# Altium PCB MSE-PCB-N1.PcbDoc (continued)
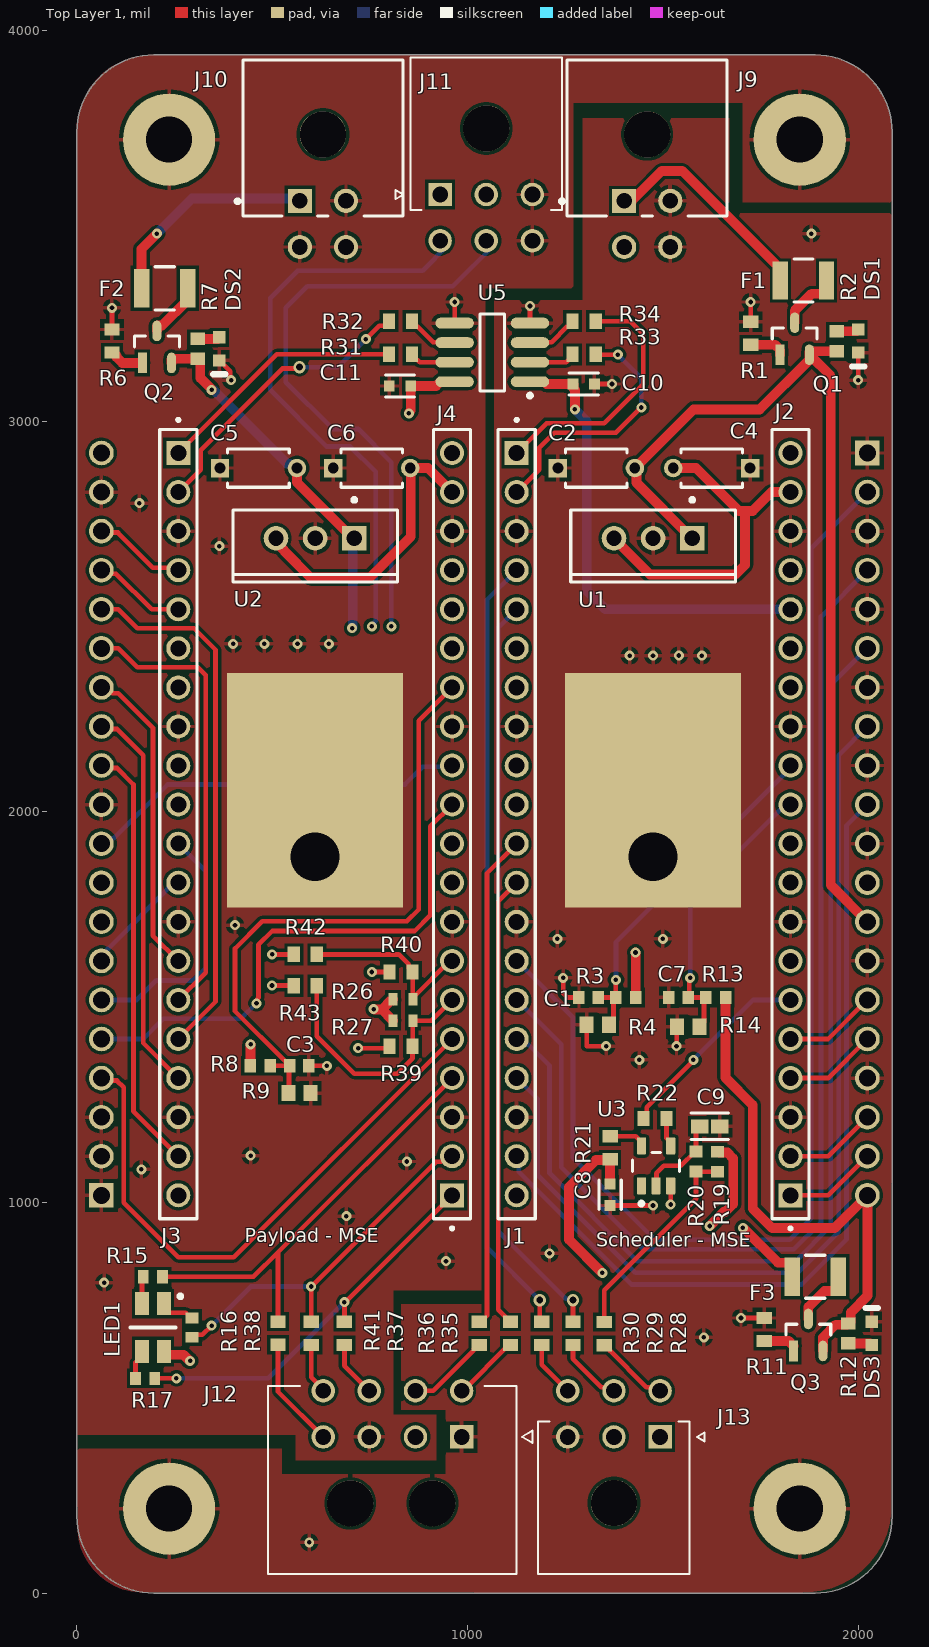
[diagram p0: Top Layer 1 view]
## Part data (continued)
R21 R22 R28 R29 R30 R35 R36 R37 R38 R39 R40 R41 R42 R43: library part CMP-2100-03667-1, "Chip Resistor, 0 Ohm, +/- 5%, 0.1 W, -55 to 155 degC, 0603 (1608 Metric), RoHS, Tape and Reel", Case Code (Imperial)=0603, Case Code (Metric)=1608, Manufacturer=Yageo, Max Operating Temperature=155degC, Min Operating Temperature=-55degC, Package Description="2-Pin Surface Mount Device, Body 1.6 x 0.8 mm", Package Quantity=5000, Power Rating=100mW, Resistance=0mOhm, Temperature Coefficient=200ppm/degreesC, Tolerance=5%, Voltage Rating=50V, Case/Package=0603, Composition=ThickFilm, Contact Plating=Tin, Datasheet URL=http://www.yageo.com/NewPortal/yageodocoutput?fileName=/pdf/R-Chip/PYu-RC_Group_51_RoHS_L_5.pdf, Datasheet Version="Rev. 5, 10/2016", Depth=0.8mm, Height=0.45mm, Lead Free=LeadFree, Length=1.6mm, Manufacturer URL=http://www.yageo.com/, Military Standard=Not, Number of Pins=2, Package Reference=0603, Packaging=TapeandReel, Radiation Hardening=No, REACH SVHC=NoSVHC, RoHSCompliant=true, Termination=SMD/SMT, Voltage Rating (DC)=50V, Width=0.8mm
R26 R27: library part CMP-2000-06942-1, "Chip Resistor, 4.7 KOhm, +/- 1%, 0.1 W, -55 to 155 degC, 0603 (1608 Metric), RoHS, Tape and Reel", Case Code (Imperial)=0603, Case Code (Metric)=1608, Manufacturer=Yageo, Max Operating Temperature=155°C, Max Power Dissipation=100mW, Min Operating Temperature=-55°C, Operating Temperature Range=-55Cto+155C, Package Description="2-Pin Surface Mount Device, Body 1.6 x 0.8 mm", Resistance=4.7k, Resistance Tolerance=1%, Resistor Type="Thick Film", Supplier Part Number 1=603-RC0603FR-074K7L, Temperature Coefficient=100PPM/C, Voltage Rating=50V, Case Code - mm=1608, Case/Package=0603, Category="Chip SMD Resistors", ComponentLink1Description=https://datasheet.ciiva.com/15189/getdatasheetpartid-422754-15189760.pdf?src-supplier=Verical, ComponentLink1URL=https://datasheet.ciiva.com/15189/getdatasheetpartid-422754-15189760.pdf?src-supplier=Verical, ComponentLink2Description=https://datasheet.ciiva.com/22747/443971-22747528.pdf?src-supplier=Element14, ComponentLink2URL=https://datasheet.ciiva.com/22747/443971-22747528.pdf?src-supplier=Element14, ComponentLink3Description=https://datasheet.ciiva.com/7660/38590-7660794.pdf?src-supplier=Element14, ComponentLink3URL=https://datasheet.ciiva.com/7660/38590-7660794.pdf?src-supplier=Element14, ComponentLink4Description=https://datasheet.ciiva.com/7746/1868787-7746365.pdf?src-supplier=Element14, ComponentLink4URL=https://datasheet.ciiva.com/7746/1868787-7746365.pdf?src-supplier=Element14, ComponentLink5Description=https://datasheet.ciiva.com/46440/1868787-46440909.pdf?src-supplier=Element14, ComponentLink5URL=https://datasheet.ciiva.com/46440/1868787-46440909.pdf?src-supplier=Element14, ComponentLink6Description=https://datasheet.ciiva.com/7746/1738695-7746366.pdf?src-supplier=Element14, ComponentLink6URL=https://datasheet.ciiva.com/7746/1738695-7746366.pdf?src-supplier=Element14, Construction=Rectangular, Datasheet URL=http://www.yageo.com/documents/recent/PYu-RC_Group_51_RoHS_L_7.pdf, Datasheet Version="Rev. 7, 05/2017", Depth=0.8mm, Features="Moisture Resistant", Height=0.45mm, Lead Free="Lead Free", Lead Pitch=0.3mm, Length=1.6mm, Manufacturer Part Number=RC0603FR-074K7L, Manufacturer URL=http://www.yageo.com/, Military Standard=Not, Mounting Technology=SurfaceMount, Number of Pins=2, Number of Terminations=2, Package Reference=0603, Packaging=Reel, Power Rating=100mW, Pricing 1="1=0,10000, 10=0,02400, 50=0,02400, 100=0,01000, 1000=0,00400, 5000=0,00300, 10000=0,00300 (USD)", Product=ThickFilmResistorsGeneralPurpose, REACH SVHC="No SVHC", RoHS=Yes, RoHS Compliant=Yes, Series=RC, Size Code=0603, Stock 1=772810, Supplier 1=Mouser, Termination=SMD/SMT, Termination Style=SMD/SMT, Tolerance=1%, Voltage Rating (DC)=50V, Width=0.8mm
U1 U2: library part CMP-0062-02476-3, "Series 3-Terminal Positive Regulators, 3-pin TO-220", Manufacturer="Texas Instruments", PackageTopMarking="NSUZXYTTE#*LM340AT*5.0 P+", PowerWise=N, ComponentLink1Description="Datasheet URL", ComponentLink1URL=http://www.ti.com/general/docs/lit/getliterature.tsp?genericPartNumber=LM340-N&fileType=pdf, CompType="LDO IC", PackageDescription="TO-220, Molded, 3 Lead, Straight", PackageReference=NDE0003A, PinCount=3, RoHS=N
U3: library part CMP-0859-00041-5, "IC BUF NON-INVERT 5.5V SOT23-5", Ambient Temperature Range High=+125°C, Ambient Temperature Range Low=-40°C, Manufacturer="Texas Instruments", Max Supply Voltage=5.5V, Min Supply Voltage=1.65V, Nominal Supply Current=10uA, Package=DBV0005A, Temperature="-40°C to +125°C", Automotive=No, Category=IC, ComponentLink2Description=Datasheet, ComponentLink2URL=http://www.ti.com/lit/ds/symlink/sn74lvc1g17.pdf, Device Class L1="Integrated Circuits (ICs)", Device Class L2="Logic ICs", Device Class L3=Buffers, Digikey Description="IC BUF NON-INVERT 5.5V SOT23-5", Height=1.45mm, Lead Free=Yes, Logic Function Desc=Non-Inverting, Manufacturer Part Number=SN74LVC1G17DBVT, Mouser Description="Buffers & Line Drivers SNGL Schmitt Trigger Buffer", Number Of Circuits=1, Number Of Inputs=1, Number Of Outputs=1, Octopart=https://octopart.com/sn74lvc1g17dbvt-texas+instruments-2326350, Propagation Delay=4.6ns, RoHS=TRUE, Standoff Height=0mm, Temperature Range High=+125°C, Temperature Range Low=-40°C
U5: library part CMP-0534-00129-1, "Dual Channel Default High Digital Isolator, 3 KV rms Insulation Rating, 25 Mbps Data Rate, 35 ns Delay, Industrial, 8-pin SOIC (R-8), Tube", Insulation Rating (kVrms)=3, Manufacturer="Analog Devices", Max Operating Temp (degreesC)=125, Code_JEDEC=MS-012-AA, ComponentLink1Description="Manufacturer URL", ComponentLink1URL=http://www.analog.com/en/index.html, ComponentLink2Description=Datasheet, ComponentLink2URL=http://www.analog.com/static/imported-files/data_sheets/ADuM1280_1281_1285_1286.pdf, ComponentLink3Description="Package Specification", ComponentLink3URL=http://www.analog.com/static/imported-files/packages/PKG_PDF/SOIC_Narrow%20(R)/R_8.pdf, ComponentLink4Description="URL Link1", ComponentLink4URL="Product URL:http://www.analog.com/en/interface-isolation/digital-isolators/adum1286/products/product.html", DatasheetVersion="Rev. 0", Max Data Rate=25Mbps, Mounting Technology="Surface Mount", PackageDescription="8-Pin Standard Small Outline Package, Body 4.9 x 3.9 mm, Pitch 1.27 mm", PackageReference=R-8, PackageVersion="060506-A, 06/2006", PartNumber=ADUM1286BRZ

## Free pads (board coordinates)
  round 236.22 hole 118.11: 1(236.22,216.54) 1(236.22,3720.47) 1(1850.39,216.54) 1(1850.39,3720.47)
  rect 450x600 / inner rect 0x0 / far side rect 0x0 hole 125 copper offset 0,170 paste+100 mask+10: 15(610,1885) 15(1475,1885)

## Via types
v1: diameter 25.59, hole 11.81, Top Layer 1 to Bottom Layer 4, 67 vias
v2: diameter 31.5, hole 17.72, Top Layer 1 to Bottom Layer 4, 3 vias

## Nets (pads, with @x,y where several pads share a name; then routed paths per layer and width w, separated by ;. In a path a pad name is that pad's centre, name@x,y a point inside that pad or via, vN(x,y) a via of type N, cw(c..) or ccw(c..) an arc to the next point about the centre after c; other vN are vias at no path point)
+3V3_P: C11.1 J4.16 J11.1 J12.2 LED1.1 P1.20 R26.2 R27.2 U5.8 | length 6279.6
  Top Layer 1 w25: LED1.1 222.85,615.6 228.07,610.39 272.85,610.39 288.24,595 v1(290,595) ; v1(760,1495) 761.24,1493.76 780.65,1493.76 ; R27.2 809.41,1467.56 808.72,1468.25 806.16,1468.25 780.65,1493.76 ; R26.2 809.41,1517.44 808.72,1516.75 803.65,1516.75 780.65,1493.76 ; v1(850,3020) 850,3021.76 855,3026.76 C11.1 919.88,3090 930.92,3101.04 U5.8
  Layer 3 w25: P1.20 174.49,3030 315,3030 450,2895 ; v1(290,595) 428.11,456.89 810,456.89 ; v1@760,1496.76 760,620 810,570 810,456.89 ; v1@761.76,1496.76 761.24,1497.27 761.24,1498 763.25,1500.01 763.25,1502.84 880,1619.59 880,2437.87 J4.16 ; v1(850,3020) 790,2960 790,2689.13 J4.16 ; J12.2 810,456.89 ; J11.1 870,3640 545,3640 450,3545 450,2895 ; 450,2895 450,2660 591.5,2518.5 J4.16
+3V3_S: C8.1 C10.1 J2.16 J13.1 P2.12 R19.2 R21.1 U5.1 | length 5355.9
  Top Layer 1 w25: U5.1 1196.09,3101.04 1202.12,3095 C10.1 1271.16,3093.72 1271.16,3083.84 1275,3080 v1@1275,3031.76 ; v1(1345,820) 1260,905 1260,1040 1328.5,1108.5 1363.03,1108.5 R21.1 C8.1 ; v1(1620,940) 1620.16,940 1655.63,975.47 1659.33,975.47 1680,996.13 1680,1113.09 1665.36,1127.74 1644.23,1127.74 R19.2@1641.97,1130
  Layer 3 w25: v1(1345,820) v1@1346.76,820 ; v1(1620,940) 1466.76,940 1361.76,835 v1@1346.76,820 ; J2.16 1930,2415.28 1930,1724.88 ; P2.12 1930,1724.88 ; v1@1346.76,820 1346.24,819.49 1346.24,814.16 1346.76,813.65 1346.76,728.24 1435,640 1435,458 J13.1 1805,400 1930,525 1930,1724.88
  Bottom Layer 4 w25: v1(1275,3030) 1305,3000 1305,2566.85 1353.35,2518.5 J2.16
+5V_P: C6.2 J4.19 J11.2 U2.3 | length 2114.7
  Top Layer 1 w25: U2.3 510,2689.72 531,2668.72 531,2667.28 598.28,2600 750,2600 855,2705 C6.2@855,2878.43 ; C6.2 899.13,2880 J4.19
  Layer 3 w25: U2.3 502.73,2707.27 502.73,2730.91 500,2733.64 500,3455 555,3510 820.36,3510 835.36,3525 1015,3525 1041.44,3551.44 1041.44,3573.33 J11.2
+5V_S: C4.2 J2.19 J13.2 U1.3 | length 3241.2
  Top Layer 1 w25: U1.3 1467.52,2607.48 1685.63,2607.48 1710,2631.85 1710,2770 ; C4.2 1585,2880 1695,2770 1730,2770 1778.5,2818.5 J2.19
  Layer 3 w25: J13.2 1310,464.89 1310,2635 U1.3
+9V_M: P2.20 Q3.2 R12.1 R13.2 | length 1382.2
  Top Layer 1 w12: R12.1@1971.75,687.34 R12.1
  Top Layer 1 w25: R13.2 1660.59,1319.41 1730,1250 1730,985 1780,935 1940.12,935 P2.20 2023.62,761.36 1981.2,718.94 1981.2,693.84 1977.95,690.59 R12.1 ; Q3.2 1909.8,654.65 1942.5,687.34 R12.1@1971.75,687.34
+9V_P: C5.2 Q2.2 R7.1 R8.2 U2.1 | length 2174.3
  Top Layer 1 w25: Q2.2 242.4,3158.43 243.38,3159.41 R7.1 312.95,3159.41 316.2,3156.16 316.2,3110.56 345,3081.76 v1(345,3080) ; R8.2 444.51,1350.49 444.51,1404.51 v1(445,1405) ; C5.2 563.43,2843.43 687.85,2719 691,2719 U2.1
  Layer 3 w25: v1(445,1405) 705,1665 v1(705,2470)
  Bottom Layer 4 w25: v1(345,3080) 345.11,3079.89 349.37,3079.89 538.14,2891.12 546.28,2891.12 556.16,2881.25 C5.2@556.16,2873.1 ; v1(705,2470) 705,2470.16 706.24,2471.4 U2.1@706.24,2698.5
+9V_S: C2.2 P2.13 Q1.2 R2.1 R3.2 U1.1 | length 3695.4
  Top Layer 1 w25: v1(1430,1640) 1430.59,1639.41 R3.2 ; U1.1 1432.68,2842.32 1432.68,2875.74 C2.2 1578.43,3030 1747.82,3030 1875,3157.18 Q1.2 ; R2.1 1875.98,3178.82 1875,3177.84 Q1.2 ; P2.13 1930,1812.13 1930,3115 Q1.2
  Layer 3 w25: v1(1430,1640) 1430,1765 1365,1830 1365,2490 U1.1
ACC_1: J2.06 R22.2 | length 530.7
  Top Layer 1 w12: R22.2 1458.68,1223.21 1458.68,1243.68 1580,1365 v1(1578.31,1365) v1@1578.31,1365.06 ; J2.06@1813.5,1518.5 J2.06
  Bottom Layer 4 w12: v1(1578.31,1365) 1731.81,1518.5 J2.06
GND_P: C3.1 C5.1 C6.1 C11.2 DS2.2 J3.03 J3.08 J3.13 J3.18 J4.03 J4.08 J4.13 J4.18 J10.2 J10.3 J10.4 J11.3 J11.6 J12.3 P1.1 P1.2 P1.3 P1.11 P1.19 pad.1@236.22,3720.47 pad.1@1850.39,3720.47 pad.15@610,1885 R6.1 R9.1 U2.2 U5.5 | length 218.1
  Top Layer 1 w12: R6.1 v1(90,3290) ; DS2.2 392.4,3128.07 392.4,3107.6 v1(395,3105) ; C3.1 v1(640,1350) ; U5.5 v1(967.05,3305)
  other v1: 70,795 945,850 690,965 165,1085 845,1105 445,1120 405,1710 400,2430 480,2430 565,2430 645,2430 365,2680 160,2790
GND_S: C1.1 C2.1 C4.1 C7.1 C8.2 C9.1 C10.2 DS1.2 DS3.2 J1.03 J1.08 J1.13 J1.18 J2.03 J2.08 J2.13 J2.18 J9.2 J9.4 J12.1 J13.3 P2.1 P2.3 P2.5 P2.7 P2.9 P2.11 P2.14 P2.17 pad.1@236.22,216.54 pad.1@1850.39,216.54 pad.15@1475,1885 R1.1 R4.1 R11.1 R14.1 U1.2 U3.3 U5.4 | length 667.3
  Top Layer 1 w12: U5.4 v1(1159.96,3294.62) ; v1(1245,1575) 1245,1535 1255,1525 C1.1 ; R4.1 1305,1400 v1(1355,1400) ; C10.2 v1(1370,3095) ; C8.2 v1(1475,992.44) ; v1(1520,995) U3.3 ; v1(1535,1400) 1535.73,1400.73 1535.73,1449.27 R14.1 ; v1(1700,704.53) R11.1 ; R1.1 v1(1725,3305) ; v1(2000,3105) DS1.2
  other v1: 595,130 1605,655 1210,870 1440,1365 1230,1675 1500,1675 1415,2400 1475,2400 1541.1,2400.28 1600,2400 1880,3480
NetC1_2: C1.2 J2.12 R3.1 R4.2 | length 903
  Top Layer 1 w12: C1.2 R3.1 ; R4.2 1373.8,1466.72 1373.8,1519.39 R3.1 ; v1(1380,1570) 1379.7,1569.7 1379.7,1525.3 R3.1
  Bottom Layer 4 w12: v1(1380,1570) 1380,1666.46 1560.43,1846.89 J2.12@1832.04,2118.5
NetC3_2: C3.2 J4.14 R8.1 R9.2 | length 1591.4
  Top Layer 1 w12: R8.1 540,1350 C3.2 545,1351.97 536.24,1360.73 534.27,1360.73 405,1490 405,1650 475,1720 845,1720 875,1750 875,2232.87 J4.14 ; C3.2@540,1345 543.23,1341.77 543.23,1281.77 R9.2
NetC7_2: C7.2 J2.11 R13.1 R14.2 | length 731.3
  Top Layer 1 w12: v1(1570,1575) 1567.4,1572.4 1567.4,1527.79 C7.2 R13.1 1605.26,1520.85 1605.26,1461.72 R14.2
  Bottom Layer 4 w12: v1(1570,1575) 1570,1775 1815.74,2020.74 J2.11@1820.94,2020.74
NetC9_2: C9.2 R20.1 U3.2 | length 225.7
  Top Layer 1 w12: U3.2 1483.72,1043.76 1483.72,1075.26 1502.28,1093.82 1546.26,1093.82 1583.03,1130.59 R20.1 1585,1185.22 C9.2
NetDS1_1: DS1.1 R2.2 | length 56.9
  Top Layer 1 w25: R2.2 1995.48,3230 DS1.1
NetDS2_1: DS2.1 R7.2 | length 56.6
  Top Layer 1 w25: R7.2 361.07,3210.59 DS2.1
NetDS3_1: DS3.1 R12.2 | length 61.6
  Top Layer 1 w25: R12.2 2031.06,639.41 DS3.1
NetF1_1: F1.1 J9.1 | length 542.4
  Top Layer 1 w25: J9.1@1422.66,3565.61 1497.05,3640 1550,3640 1793.29,3396.71 1793.76,3396.71 1800.94,3389.53 F1.1
NetF1_2: F1.2 Q1.3 | length 159.9
  Top Layer 1 w25: Q1.3 1837.6,3282.6 1881.06,3326.06 1911.87,3326.06 1919.06,3333.25 F1.2
NetF2_1: F2.1 J10.1 | length 574.8
  Top Layer 1 w25: F2.1 165.47,3340.47 165.47,3440.47 v1(205,3480)
  Bottom Layer 4 w25: v1(205,3480) 295,3570 J10.1@585.94,3570
NetF2_2: F2.2 Q2.3 | length 149
  Top Layer 1 w25: Q2.3 205,3243.77 205.98,3244.75 218.33,3244.75 284.06,3310.47 F2.2
NetF3_1: F3.1 J9.3 | length 2828.6
  Top Layer 1 w25: v1@1707.19,933.76 1794.98,845.97 1823.76,845.97 1830.94,838.78 F3.1
  Layer 3 w25: J9.3 1640.9,3205.83 1640.9,2721.84 1661.88,2700.86 1661.88,978.12 v1(1705,935)
NetF3_2: F3.2 Q3.3 | length 156.4
  Top Layer 1 w25: Q3.3 1872.4,732.4 1913.56,773.56 1941.87,773.56 1949.06,780.75 F3.2
NetJ1_01: J1.01 R34.1 | length 660.8
  Top Layer 1 w12: J1.01 1202.48,2995 1350,2995 1450,3095 1450,3222.97 1416.93,3256.04 R34.1
NetJ1_02: J1.02 R33.1 | length 658.5
  Top Layer 1 w12: J1.02 1183.27,2875.79 1183.27,2931.4 1221.87,2970 1380,2970 v1(1445,3035) ; R33.1 1329.07,3170 v1(1385,3170)
  Bottom Layer 4 w12: v1(1385,3170) 1445,3110 v1(1445,3035)
NetJ1_04: J1.04 R30.2 | length 2013.4
  Top Layer 1 w12: v2(1185,750) 1185,699.53 R30.2
  Bottom Layer 4 w12: J1.04 1050,2542.52 1050,885 v2(1185,750)
NetJ1_05: J1.05 R29.2 | length 1931.7
  Top Layer 1 w12: R29.2 v2(1270,750)
  Bottom Layer 4 w12: J1.05 1078.54,2471.06 1078.54,926.46 1251.27,753.73 1266.27,753.73 v2(1270,750)
NetJ1_11: J1.11 R36.2 | length 1266
  Top Layer 1 w12: R36.2 1033.94,694.53 1050,710.59 1050,1842.52 J1.11
NetJ1_12: J1.12 R35.2 | length 1156.7
  Top Layer 1 w12: R35.2 1078.54,725.98 1078.54,1771.06 J1.12
NetJ1_14: J1.14 P2.2 | length 3200.9
  Bottom Layer 4 w12: J1.14 1270,1474.49 1270,1115 1480,905 1825,905 1880,960 1880,2674.88 P2.2
NetJ1_15: J1.15 P2.4 | length 2973
  Bottom Layer 4 w12: J1.15@1127.32,1517.68 1240,1405 1240,1090 1450,880 1835,880 1905,950 1905,2499.88 P2.4
NetJ1_16: J1.16 P2.6 | length 2755.2
  Bottom Layer 4 w12: J1.16 1139.36,1418.5 1154.04,1403.82 1156.18,1403.82 1210,1350 1210,1075 1435,850 1840,850 1930,940 1930,2324.88 P2.6
NetJ1_17: J1.17 P2.8 | length 2514.1
  Bottom Layer 4 w12: J1.17@1120.86,1310.57 1134.43,1310.57 1180,1265 1180,1070 1430,820 1845,820 1950,925 1950,2144.88 P2.8
NetJ1_19: J1.19 P2.10 | length 2183.6
  Bottom Layer 4 w12: J1.19 1131.18,1113.31 1131.18,1078.82 1420,790 1855,790 1970,905 1970,1964.88 P2.10
NetJ2_01: J2.01 P2.19 | length 238.3
  Top Layer 1 w12: J2.01 1923.62,1018.5 P2.19
NetJ2_02: J2.02 P2.18 | length 238.3
  Top Layer 1 w12: J2.02 1923.62,1118.5 P2.18
NetJ2_04: J2.04 P2.16 | length 238.3
  Top Layer 1 w12: J2.04 1923.62,1318.5 P2.16
NetJ2_05: J2.05 P2.15 | length 238.3
  Top Layer 1 w12: J2.05 1923.62,1418.5 P2.15
NetJ3_01: J3.01 R31.2 | length 643.7
  Top Layer 1 w12: J3.01 512.38,3171.04 R31.2
NetJ3_02: J3.02 R32.2 | length 750.8
  Top Layer 1 w12: J3.02 317.13,2875.79 317.13,2925.46 526.19,3134.52 566.27,3134.52 v2(570,3138.25) ; v1(740,3210) 774.06,3244.06 789.23,3244.06 798.98,3253.81 R32.2
  Bottom Layer 4 w12: v2(570,3138.25) 668.25,3138.25 v1(740,3210)
NetJ3_04: J3.04 P1.18 | length 238.3
  Top Layer 1 w12: P1.18 66.74,2714.76 105.24,2714.76 195,2625 253.35,2625 J3.04
NetJ3_05: J3.05 P1.17 | length 238.3
  Top Layer 1 w12: P1.17 71.74,2609.76 100.24,2609.76 191.5,2518.5 J3.05
NetJ3_11: J3.11 P1.6 | length 648.3
  Bottom Layer 4 w12: P1.6 153.5,1518.5 203.5,1568.5 298.5,1568.5 330,1600 330,1848.35 J3.11
NetJ3_12: J3.12 P1.7 | length 288.2
  Bottom Layer 4 w12: P1.7 62.99,1632.3 78.75,1648.06 78.75,1648.75 248.5,1818.5 J3.12
NetJ3_14: J3.14 P1.14 | length 807.4
  Top Layer 1 w12: P1.14@73.93,2303.87 78.81,2308.75 86.55,2308.75 91.43,2303.87 106.13,2303.87 195,2215 195,1683.35 J3.14
  Bottom Layer 4 w12: P1.14 P1.14@76.5,2318.5 ; J3.14 J3.14@268.5,1618.5
NetJ3_15: J3.15 P1.15 | length 1155.9
  Top Layer 1 w12: P1.15 106.5,2418.5 155,2370 310,2370 330,2350 330,1588.66 J3.15
NetJ3_16: J3.16 P1.16 | length 1370.8
  Top Layer 1 w12: P1.16 106.5,2518.5 155,2470 300,2470 355,2415 355,1513.66 J3.16
NetJ3_17: J3.17 P1.13 | length 1001.2
  Top Layer 1 w12: P1.13 69.24,2212.26 102.74,2212.26 170,2145 170,1408.35 J3.17
NetJ3_19: J3.19 P1.12 | length 1101.2
  Top Layer 1 w12: P1.12 69.24,2112.26 102.74,2112.26 145,2070 145,1233.35 J3.19
NetJ4_01: J4.01 R17.1 R37.1 | length 1003.5
  Top Layer 1 w12: R17.1 v1(255,550) ; R37.1 v1(685,745) 687.13,745 957.13,1015 J4.01@960,1015
  Bottom Layer 4 w12: v1(255,550) 490,550 v1(685,745)
NetJ4_02: J4.02 R16.1 R41.1 | length 947.9
  Top Layer 1 w12: R16.1 300.79,661.18 321.18,661.18 v1(345,685) ; R41.1 v1(600,785) 919.62,1104.62 933.38,1104.62 947.26,1118.5 J4.02
  Bottom Layer 4 w12: v1(345,685) 445,785 v1(600,785)
NetJ4_04: J4.04 R15.1 R38.1 | length 1139.1
  Top Layer 1 w12: R15.1@215,810 R15.1 452.13,810 515,872.87 ; R38.1@515,690 R38.1 515,872.87 ; J4.04 515,872.87
NetJ4_05: J4.05 P1.4 | length 1491.7
  Top Layer 1 w12: P1.4 69.24,1312.26 102.74,1312.26 120,1295 120,1000 260.03,859.97 402.1,859.97 J4.05
NetJ4_11: J4.11 P1.5 | length 1378
  Top Layer 1 w12: v1(460,1510) 462.6,1512.6 462.6,1521.43 465,1523.83 465,1660 500,1695 865,1695 905,1735 905,1962.87 J4.11
  Bottom Layer 4 w12: P1.5 170.15,1418.5 221.64,1470 420,1470 v1(460,1510) ; J4.11@951.17,2009.05 J4.11
NetJ4_12: J4.12 P1.10 | length 984.7
  Bottom Layer 4 w12: P1.10 76.79,1918.5 90.88,1932.59 94.9,1932.59 232.31,2070 840,2070 885,2115 955,2115 J4.12@963.01,2123.01
NetJ11_4: J11.4 R39.1 | length 2691
  Top Layer 1 w12: v1(720,1395) 795.47,1395 R39.1
  Layer 3 w12: v1(720,1395) 720,1630 755,1665 v1(755,2475)
  Bottom Layer 4 w12: v1(755,2475) 755,2478.68 765,2488.68 765,2870 700,2935 640,2935 495,3080 495,3315 565,3385 885,3385 950,3450 J11.4@950,3461.89
NetJ11_5: J11.5 R40.1 | length 2526.9
  Top Layer 1 w12: v1(755,1590) R40.1
  Layer 3 w12: v1(755,1590) 805,1640 v1(805,2475)
  Bottom Layer 4 w12: v1(805,2475) 805,2895 720,2980 655,2980 535,3100 535,3290 590,3345 962.24,3345 1068.11,3450.87 J11.5@1068.11,3461.89
NetJ12_4: J12.4 R38.2 | length 288.2
  Top Layer 1 w12: R38.2 515,515.67 J12.4 J12.4@635,400
NetJ12_5: J12.5 R35.1 | length 173.6
  Top Layer 1 w12: J12.5 988.7,518.11 1106.06,635.47 R35.1
NetJ12_6: J12.6 R36.1 | length 214
  Top Layer 1 w12: J12.6 912.64,518.11 1016.31,621.79 1016.31,625.72 1026.06,635.47 R36.1
NetJ12_7: J12.7 R37.2 | length 147.4
  Top Layer 1 w12: R37.2 685,581.89 J12.7 750,516.89 J12.7@750,515
NetJ12_8: J12.8 R41.2 | length 130.1
  Top Layer 1 w12: R41.2 600,553 630.67,522.33 J12.8
NetJ13_4: J13.4 R28.1 | length 193.7
  Top Layer 1 w12: R28.1 1353.94,635 1363.69,625.25 1363.69,621.31 1458.06,526.94 1484.17,526.94 J13.4
NetJ13_5: J13.5 R29.1 | length 174.3
  Top Layer 1 w12: R29.1 1270,600 1342.74,527.26 1365.74,527.26 J13.5
NetJ13_6: J13.6 R30.1 | length 145
  Top Layer 1 w12: R30.1 1190,584.89 J13.6
NetLED1_2: LED1.2 R17.2 | length 75.9
  Top Layer 1 w12: R17.2 150.39,590.51 167.05,607.17 LED1.2
NetLED1_3: LED1.3 R16.2 | length 99
  Top Layer 1 w12: LED1.3 222.85,729.21 234.57,717.5 279.16,717.5 291.65,705 R16.2@300,705
NetLED1_4: LED1.4 R15.2 | length 70.3
  Top Layer 1 w12: LED1.4 167.15,806.75 R15.2
NetP1_8: P1.8 R43.1 | length 563
  Top Layer 1 w12: v1(499.53,1555.63) 554.84,1555.63 R43.1
  Layer 3 w12: P1.8@63.87,1726.13 120,1670 310,1670 425,1555 498.9,1555 v1(499.53,1555.63)
NetP1_9: P1.9 R42.1 | length 568.5
  Top Layer 1 w12: v1(500,1635) R42.1
  Layer 3 w12: P1.9 111.5,1770 285,1770 420,1635 v1(500,1635)
NetQ1_1: Q1.1 R1.2 | length 93.3
  Top Layer 1 w25: R1.2 1787.54,3195.47 1800.2,3182.82 Q1.1
NetQ2_1: Q2.1 R6.2 | length 90.7
  Top Layer 1 w25: R6.2 93.94,3175.47 101.97,3167.44 101.97,3163.7 116.62,3149.05 Q2.1
NetQ3_1: Q3.1 R11.2 | length 95
  Top Layer 1 w12: Q3.1 1835,632.82 Q3.1@1835,634.78
  Top Layer 1 w25: R11.2 1822.34,645.47 Q3.1@1835,632.82
NetR19_1: R19.1 R20.2 R28.2 | length 537.9
  Top Layer 1 w12: R28.2 1350,775 1585,1010 R20.2 1585.3,1079.11 1639.7,1079.11 R19.1
NetR21_2: R21.2 U3.5 | length 96.1
  Top Layer 1 w12: R21.2 1430.51,1169.53 1445.2,1154.84 U3.5
NetR22_1: R22.1 U3.4 | length 74.3
  Top Layer 1 w12: R22.1 1509.53,1165.32 1520,1154.84 U3.4
NetR31_1: R31.1 U5.7 | length 119.6
  Top Layer 1 w12: R31.1 858.03,3167.1 867.78,3157.35 871.72,3157.35 878.03,3151.04 U5.7
NetR32_1: R32.1 U5.6 | length 134.1
  Top Layer 1 w12: R32.1 858.03,3252.1 867.78,3242.35 871.72,3242.35 911.85,3202.22 965.87,3202.22 U5.6
NetR33_2: R33.2 U5.2 | length 119.6
  Top Layer 1 w12: U5.2 1252.91,3151.04 1268.98,3167.1 R33.2
NetR34_2: R34.2 U5.3 | length 134.1
  Top Layer 1 w12: U5.3 1161.14,3202.22 1215.16,3202.22 1255.29,3242.35 1259.23,3242.35 1268.98,3252.1 R34.2
SCL: J4.07 R26.1 R40.2 R42.2 | length 483
  Top Layer 1 w12: R42.2 824.37,1635 849.78,1609.59 849.78,1599.75 R40.2 860.06,1589.47 860.06,1520.53 R26.1 860.59,1523.94 955.16,1618.5 J4.07
SDA: J4.06 R27.1 R39.2 R43.2 | length 648.6
  Top Layer 1 w12: R43.2 614.53,1425.47 710,1330 820,1330 859.34,1369.34 859.34,1399.82 R39.2 860.06,1400.53 860.06,1464.47 R27.1 907.13,1465 J4.06
pads on no net: J1.06 J1.07 J1.09 J1.10 J1.20 J2.07 J2.09 J2.10 J2.14 J2.15 J2.17 J2.20 J3.06 J3.07 J3.09 J3.10 J3.20 J4.09 J4.10 J4.15 J4.17 J4.20 J9. J10. J11. J12. J13. U3.1

## Polygon pours and split planes (outlines as drawn)
GND_S on Layer 2 "GND_S_L02_P007" (solid, pour order 7): 1.93,171.41 ccw(c171.4,171.4) 171.41,1.93 1862.67,0.25 1860.44,2.48 ccw(c1862.67,224.99) 2085.18,222.76 2086.86,3531.74 1670,3531.74 1670,3775 1295,3775 1295,3310 1068.7,3310 1068.7,740 830,740 830,470 945,470 945,305 525,305 525,370 0.38,370
GND_P on Layer 2 "GND_P_L02_P000" (solid, pour order 0): 0.25,3746.86 cw(c193.87,3743.63) 197.1,3937.26 1890.01,3937.26 cw(c1890.02,3740.41) 2086.86,3740.41 2086.86,3559.07 1704.94,3560.06 1705,3815 1704.38,3814.38 1271.34,3814.38 1271.34,3339.09 1045,3340.94 1045,775 810,775 810,456.89 920,456.89 920,340 560,340 560,405 0.25,405
GND_S on Top Layer 1 "GND_S_L01_P006" (solid, pour order 6): 1.93,171.41 ccw(c171.4,171.4) 171.41,1.93 1862.67,0.25 1860.44,2.48 ccw(c1862.67,224.99) 2085.18,222.76 2086.86,3531.74 1670,3531.74 1670,3775 1295,3775 1295,3310 1068.7,3310 1068.7,740 830,740 830,470 945,470 945,305 525,305 525,370 0.38,370
GND_P on Top Layer 1 "GND_P_L01_P002" (solid, pour order 2): 0.25,3746.86 cw(c193.87,3743.63) 197.1,3937.26 1890.01,3937.26 cw(c1890.02,3740.41) 2086.86,3740.41 2086.86,3559.07 1704.94,3560.06 1705,3815 1704.38,3814.38 1271.34,3814.38 1271.34,3339.63 1045,3340.4 1045,775 810,775 810,456.89 920,456.89 920,340 560,340 560,405 0.25,405
GND_S on Layer 3 "GND_S_L03_P009" (solid, pour order 9): 1.93,171.41 ccw(c171.4,171.4) 171.41,1.93 1862.67,0.25 1860.44,2.48 ccw(c1862.67,224.99) 2085.18,222.76 2086.86,3531.74 1670,3531.74 1670,3775 1295,3775 1295,3310 1068.7,3310 1068.7,740 830,740 830,470 945,470 945,305 525,305 525,370 0.38,370
GND_P on Layer 3 "GND_P_L03_P003" (solid, pour order 3): 0.25,3746.86 cw(c193.87,3743.63) 197.1,3937.26 1890.01,3937.26 cw(c1890.02,3740.41) 2086.86,3740.41 2086.86,3559.07 1704.94,3560.06 1705,3815 1704.38,3814.38 1271.34,3814.38 1271.34,3340.01 1045,3340.01 1045,775 810,775 810,456.89 920,456.89 920,340 560,340 560,405 0.25,405
GND_S on Bottom Layer 4 "GND_S_L04_P010" (solid, pour order 10): 1.93,171.41 ccw(c171.4,171.4) 171.41,1.93 1862.67,0.25 1860.44,2.48 ccw(c1862.67,224.99) 2085.18,222.76 2086.86,3531.74 1670,3531.74 1670,3775 1295,3775 1295,3310 1068.7,3310 1068.7,740 830,740 830,470 945,470 945,305 525,305 525,370 0.38,370
GND_P on Bottom Layer 4 "GND_P_L04_P004" (solid, pour order 4): 0.25,3746.86 cw(c193.87,3743.63) 197.1,3937.26 1890.01,3937.26 cw(c1890.02,3740.41) 2086.86,3740.41 2086.86,3559.07 1704.94,3560.06 1705,3815 1704.38,3814.38 1271.34,3814.38 1271.34,3339.12 1045,3340.91 1045,775 810,775 810,456.89 920,456.89 920,340 560,340 560,405 0.25,405

## Silkscreen, mask and mechanical layers (free items; w line width, h text height)
Top Overlay:
  text "Payload - MSE" at 430,886.27 h60
  text "Scheduler - MSE" at 1330,875.62 h60
Bottom Overlay:
  drawing of 14 lines, arcs and shapes, not listed
  text "P.MIAILHE - MSE V1" at 1440,25 h100
Mechanical 1:
  lines w0.5: 0.25,197.1 ccw(c197.1,197.1) 197.1,0.25 1890.01,0.25 ccw(c1890.01,197.1) 2086.86,197.1 2086.86,3740.41 ccw(c1890.01,3740.41) 1890.01,3937.26 197.1,3937.26 ccw(c197.1,3740.41) 0.25,3740.41 0.25,197.1
  lines w47.24: 0.25,197.1 ccw(c197.1,197.1) 197.1,0.25 1890.01,0.25 ccw(c1890.01,197.1) 2086.86,197.1 2086.86,3740.41 ccw(c1890.01,3740.41) 1890.01,3937.26 197.1,3937.26 ccw(c197.1,3740.41) 0.25,3740.41 0.25,197.1

## Text inside footprints (layer, text, board x,y; h text height)
P1: Bottom Overlay "10" at 135,1895 h40 r270; Bottom Overlay "1" at 135,1010 h40 r270; Bottom Overlay "20" at 135,2895 h40 r270
P2: Bottom Overlay "20" at 1945,1055 h40 r90; Bottom Overlay "1" at 1945,2925 h40 r90; Bottom Overlay "10" at 1945,2045 h40 r90